# KiCad board EPSM-Famicom-rounded.kicad_pcb (continued)
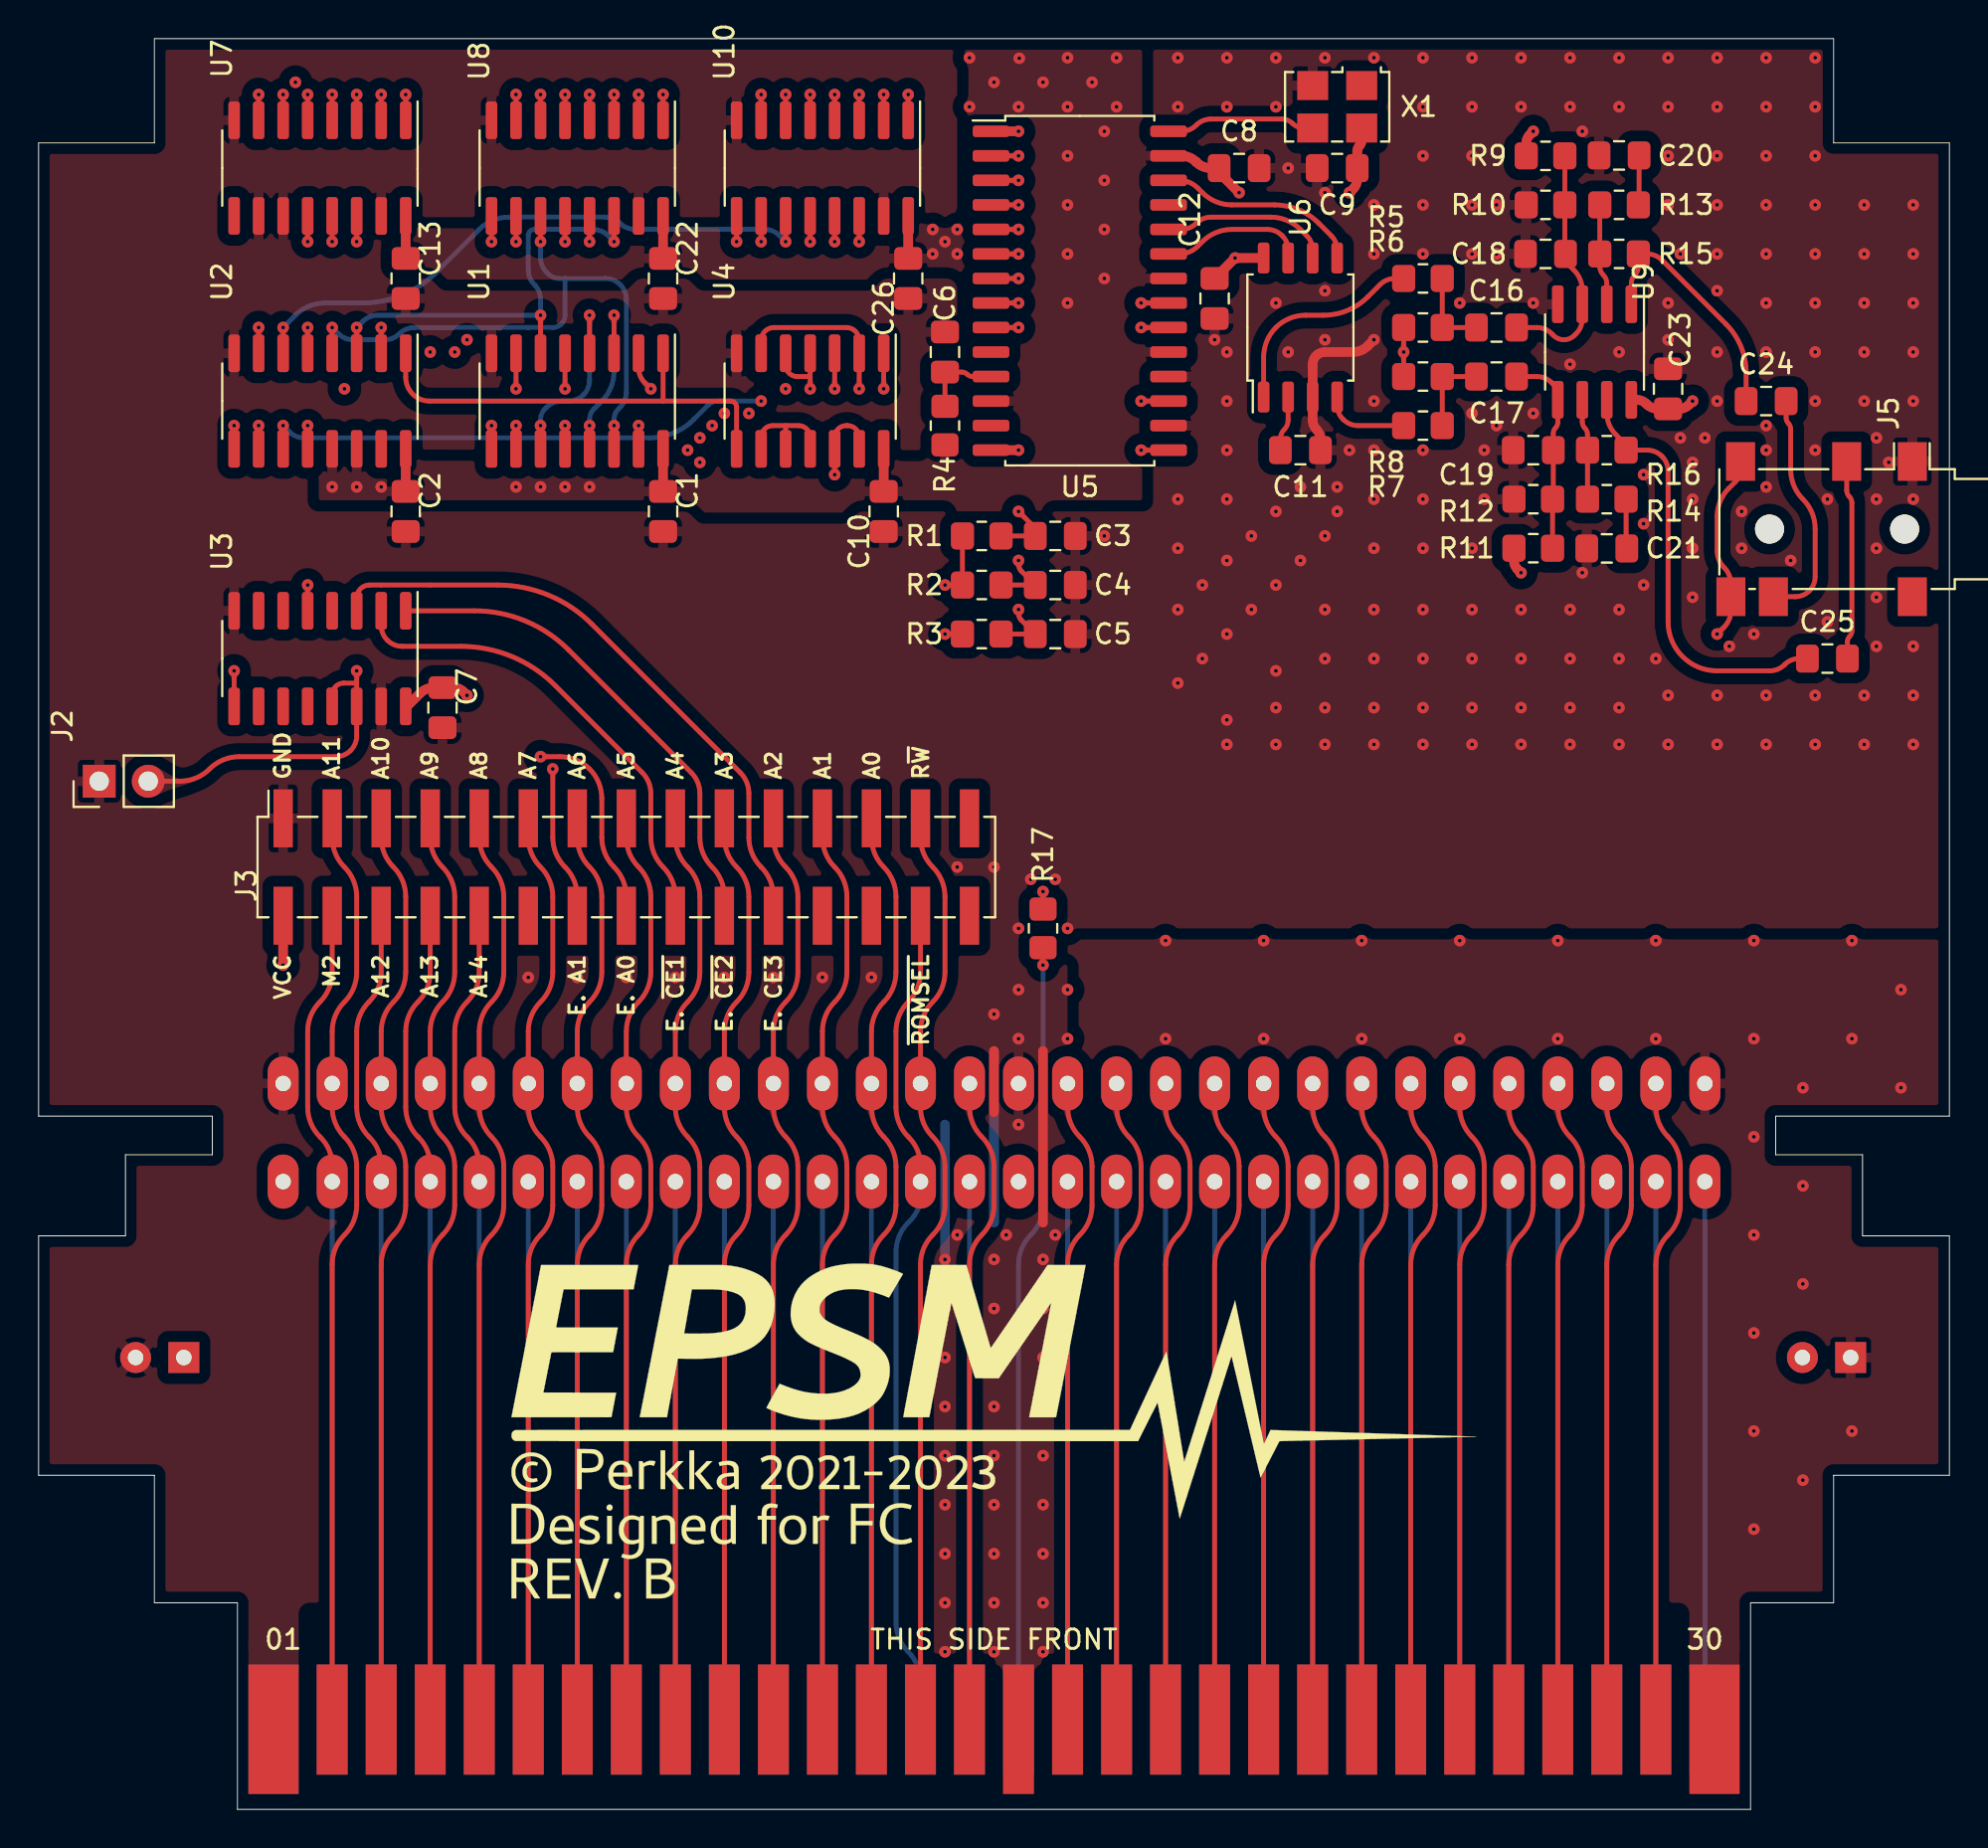
[diagram p0: board, top side]
## Routing (per net, layer and track width the routed paths; a pad name or vN(x,y) marks a point on that pad's centre or on a via; arc(x,y) is an arc through that point) (continued)
  vias: v1(15.21,68.48) v1(16.48,68.48) v1(17.75,68.48) v1(24.73,68.48) v1(26,68.48) v1(27.28,68.48) v1(28.55,68.48) v1(46.33,81.82) v1(46.33,80.55) v1(46.96,81.18) v1(47.59,81.82) v1(47.59,80.55) v1(48.23,90.71) v1(48.23,88.17) v1(49.5,89.44) v1(50.81,90.68) v1(50.77,88.17) v1(52.04,89.44) v1(53.31,90.71) v1(53.31,88.17) v1(53.31,85.63) v1(53.31,83.09) v1(53.31,80.55) v1(53.31,78.01) v1(54.58,89.44) v1(55.22,86.9) v1(55.22,84.36) v1(55.22,81.82) v1(55.22,79.28) v1(55.85,90.71) v1(55.85,88.17) v1(58.39,44.99) v1(58.39,39.91) v1(63.47,44.99) v1(63.47,39.91) v1(68.55,44.99) v1(68.55,39.91) v1(73.63,44.99) v1(73.63,39.91) v1(78.71,44.99) v1(78.71,39.91) v1(83.79,44.99) v1(83.79,39.91) v1(88.87,44.99) v1(88.87,39.91) v1(88.87,34.83) v1(88.87,29.75) v1(88.87,24.67) v1(88.87,19.59) v1(88.87,14.51) v1(91.41,37.37) v1(91.41,32.29) v1(91.41,27.21) v1(91.41,17.05) v1(93.95,44.99) v1(93.95,39.91) v1(93.95,19.59) v1(96.49,42.45) v1(96.49,37.37)
/$4016_EN: length 85.8
  Top w0.25: v1(19.02,88.8) U7.1 ; R1.1 R2.1 v1(46.96,63.4) ; v1(32.36,88.8) 32.36,87.47 ; v1(13.94,71.66) U2.12 ; v1(45.06,88.8) U10.1
  In1.Cu w0.25: 32.36,89.44 43.97,89.44 arc(44.39,89.36) 44.74,89.12 v1(45.06,88.8) ; 32.36,89.44 v1(32.36,88.8) ; 32.36,89.44 19.02,89.44 ; v1(19.02,88.8) 19.02,89.44 ; 19.02,89.44 v1(13.31,89.44)
  In2.Cu w0.25: v1(13.31,89.44) 13.31,72.74 arc(13.39,72.33) 13.62,71.98 v1(13.94,71.66) ; v1(46.96,63.4) 46.96,76.66 arc(46.71,77.91) 46.01,78.96 arc(45.3,80.02) 45.06,81.26 v1(45.06,88.8)
/AUD_2A03: length 27.9
  Bottom w0.25: J4.45 J1.45
/AUD_EPSM: length 40.3
  Top w0.25: v1(52.04,43.72) R17.2
  Bottom w0.25: v1(52.04,43.72) 52.04,31.28 arc(51.87,30.45) 51.41,29.75 arc(50.94,29.05) 50.77,28.22 J4.46
/AUD_RF: length 56.8
  Top w0.25: R8.2 v1(70.72,75.47) R6.2
  In1.Cu w0.25: J1.46 50.77,33.35 arc(50.62,34.13) 50.17,34.79 50.14,34.83 arc(49.67,35.53) 49.5,36.36 49.5,39.46 arc(49.58,39.88) 49.82,40.23 arc(50.05,40.58) 50.14,40.99 50.14,48.48 arc(50.66,51.12) 52.16,53.36 65.13,66.33 arc(66.08,67.76) 66.41,69.44 66.41,70.97 arc(66.36,71.24) 66.21,71.46 arc(66.06,71.68) 66.01,71.94 66.01,74.83 arc(66.2,75.28) 66.65,75.47 v1(70.72,75.47)
/BUF_A0: length 26.6
  Top w0.25: v1(11.4,76.74) 11.4,75.4 ; v1(16.48,88.8) U7.3
  In1.Cu w0.25: v1(20.29,75.47) 13.57,75.47 arc(12.74,75.64) 12.03,76.1 v1(11.4,76.74)
  In2.Cu w0.25: v1(20.29,75.47) 20.29,82.3 arc(19.79,84.79) 18.39,86.9 v1(16.48,88.8)
/BUF_A1: length 20.1
  Top w0.25: v1(12.67,88.8) U7.6 ; v1(11.4,71.66) U2.10
  In2.Cu w0.25: v1(12.67,88.8) 12.35,88.49 arc(12.12,88.14) 12.03,87.72 12.03,72.74 arc(11.95,72.33) 11.72,71.98 v1(11.4,71.66)
/BUF_CS: length 36.8
  Top w0.25: v1(16.48,81.18) U7.14 ; v1(41.25,73.56) 41.25,75.4
  In1.Cu w0.25: v1(41.25,73.56) 40.93,73.88 arc(40.58,74.12) 40.16,74.2 16.93,74.2 arc(16.51,74.12) 16.16,73.88 v1(15.84,73.56)
  In2.Cu w0.25: v1(15.84,73.56) 15.84,80.1 arc(15.93,80.52) 16.16,80.87 v1(16.48,81.18)
/BUF_D0: length 28.1
  Top w0.25: v1(31.72,73.56) 31.4,73.88 arc(31.17,74.23) 31.08,74.65 31.08,75.4 ; v1(42.52,88.8) U10.3
  In1.Cu w0.25: v1(38.7,73.56) v1(31.72,73.56)
  In2.Cu w0.25: v1(38.7,73.56) 43.34,78.2 arc(43.67,78.69) 43.78,79.28 43.78,86.64 arc(43.62,87.47) 43.15,88.17 v1(42.52,88.8)
/BUF_D1: length 32.6
  Top w0.25: v1(38.7,88.8) U10.6 ; v1(27.28,73.56) 27.28,75.4
  In1.Cu w0.25: v1(27.28,73.56) 29.37,73.56 arc(29.78,73.48) 30.13,73.25 arc(30.48,73.01) 30.9,72.93 35.85,72.93 arc(36.14,72.87) 36.39,72.71 v1(36.8,72.29)
  In2.Cu w0.25: v1(38.7,88.8) 40.31,87.2 arc(41.47,85.46) 41.88,83.41 41.88,80.87 arc(41.82,80.57) 41.66,80.33 37.92,76.59 arc(37.09,75.35) 36.8,73.88 v1(36.8,72.29)
/BUF_D2: length 27.8
  Top w0.25: v1(24.73,73.56) 24.73,75.4 ; v1(41.25,81.18) U10.13
  In1.Cu w0.25: v1(24.73,73.56) 25.05,73.25 arc(25.4,73.01) 25.82,72.93 28.73,72.93 arc(29.15,72.85) 29.5,72.61 arc(29.85,72.38) 30.26,72.29 v1(35.53,72.29)
  In2.Cu w0.25: v1(35.53,72.29) 35.53,76.21 arc(35.86,77.87) 36.8,79.28 37.62,80.1 arc(37.95,80.6) 38.07,81.18 arc(38.26,81.63) 38.7,81.82 40.16,81.82 arc(40.58,81.74) 40.93,81.5 v1(41.25,81.18)
/BUF_D3: length 16.7
  Top w0.25: v1(37.44,81.18) U10.10 ; v1(31.08,71.66) U1.15
  In1.Cu w0.25: v1(34.89,71.66) v1(31.08,71.66)
  In2.Cu w0.25: v1(37.44,81.18) 36.17,79.91 arc(35.23,78.51) 34.89,76.85 v1(34.89,71.66)
/BUF_D4: length 29.6
  Top w0.25: v1(27.28,71.66) 27.28,70.45 ; v1(29.81,88.8) U8.3
  In1.Cu w0.25: v1(27.28,71.66) 27.91,71.02 arc(28.61,70.56) 29.44,70.39 v1(33.62,70.39)
  In2.Cu w0.25: v1(29.81,88.8) 33.14,85.48 arc(33.97,84.24) 34.26,82.77 34.26,80.87 arc(34.2,80.57) 34.04,80.33 33.94,80.23 arc(33.71,79.88) 33.62,79.47 v1(33.62,70.39)
/BUF_D5: length 22.5
  Top w0.25: v1(24.73,71.66) U1.10 ; v1(26,88.8) U8.6
  In2.Cu w0.25: v1(26,88.8) 27.59,87.22 arc(28.77,85.46) 29.18,83.38 29.18,77.06 arc(29.12,76.76) 28.96,76.52 26.86,74.42 arc(26.7,74.18) 26.64,73.88 arc(26.58,73.59) 26.42,73.34 v1(24.73,71.66)
/BUF_D6: length 15.7
  Top w0.25: v1(28.55,81.18) U8.13 ; v1(17.75,76.74) 17.75,75.4
  In1.Cu w0.25: v1(17.75,76.74) 21.11,76.74 arc(21.53,76.66) 21.88,76.42 v1(22.19,76.1)
  In2.Cu w0.25: v1(22.19,76.1) 22.83,76.1 arc(23.42,76.22) 23.91,76.55 v1(28.55,81.18)
/BUF_D7: length 17.7
  Top w0.25: v1(13.94,76.74) 13.94,75.4 ; v1(24.73,81.18) U8.10
  In1.Cu w0.25: v1(13.94,76.74) 14.26,76.42 arc(14.61,76.19) 15.02,76.1 20.48,76.1 arc(20.89,76.02) 21.24,75.79 v1(21.56,75.47)
  In2.Cu w0.25: v1(24.73,81.18) 22.23,78.68 arc(21.74,77.94) 21.56,77.06 v1(21.56,75.47)
/CIRAM_A10: length 33.6
  Top w0.25: J1.18 55.85,36.36 arc(56.02,35.53) 56.49,34.83 arc(56.95,34.13) 57.12,33.3 57.12,31.28 arc(56.95,30.45) 56.49,29.75 arc(56.02,29.05) 55.85,28.22 J4.18
/CIRAM_~{CE}: length 27.9
  Bottom w0.25: J1.48 J4.48
/CPU_A0: length 48
  Top w0.25: J4.13 43.15,28.22 arc(43.32,29.05) 43.78,29.75 arc(44.25,30.45) 44.42,31.28 44.42,33.3 arc(44.25,34.13) 43.78,34.83 arc(43.32,35.53) 43.15,36.36 J1.13 43.15,40.28 arc(43.32,41.11) 43.78,41.81 arc(44.25,42.52) 44.42,43.35 44.42,47.27 arc(44.25,48.1) 43.78,48.8 arc(43.32,49.5) 43.15,50.33 J3.25
/CPU_A1: length 48
  Top w0.25: J3.23 40.61,50.33 arc(40.78,49.5) 41.25,48.8 arc(41.71,48.1) 41.88,47.27 41.88,43.35 arc(41.71,42.52) 41.25,41.81 arc(40.78,41.11) 40.61,40.28 J1.12 40.61,36.36 arc(40.78,35.53) 41.25,34.83 arc(41.71,34.13) 41.88,33.3 41.88,31.28 arc(41.71,30.45) 41.25,29.75 arc(40.78,29.05) 40.61,28.22 J4.12
/CPU_A2: length 48
  Top w0.25: J4.11 38.07,28.22 arc(38.24,29.05) 38.7,29.75 arc(39.17,30.45) 39.34,31.28 39.34,33.3 arc(39.17,34.13) 38.7,34.83 arc(38.24,35.53) 38.07,36.36 J1.11 38.07,40.28 arc(38.24,41.11) 38.7,41.81 arc(39.17,42.52) 39.34,43.35 39.34,47.27 arc(39.17,48.1) 38.7,48.8 arc(38.24,49.5) 38.07,50.33 J3.21
/CPU_A3: length 48
  Top w0.25: J3.19 35.53,50.33 arc(35.7,49.5) 36.17,48.8 arc(36.63,48.1) 36.8,47.27 36.8,43.35 arc(36.63,42.52) 36.17,41.81 arc(35.7,41.11) 35.53,40.28 35.53,36.36 arc(35.7,35.53) 36.17,34.83 arc(36.63,34.13) 36.8,33.3 36.8,31.28 arc(36.63,30.45) 36.17,29.75 arc(35.7,29.05) 35.53,28.22 J4.10
/CPU_A4: length 48
  Top w0.25: J3.17 32.99,50.33 arc(33.16,49.5) 33.62,48.8 arc(34.09,48.1) 34.26,47.27 34.26,43.35 arc(34.09,42.52) 33.62,41.81 arc(33.16,41.11) 32.99,40.28 32.99,36.36 arc(33.16,35.53) 33.62,34.83 arc(34.09,34.13) 34.26,33.3 34.26,31.28 arc(34.09,30.45) 33.62,29.75 arc(33.16,29.05) 32.99,28.22 J4.9
/CPU_A5: length 48
  Top w0.25: J4.8 30.45,28.22 arc(30.62,29.05) 31.08,29.75 arc(31.55,30.45) 31.72,31.28 31.72,33.3 arc(31.55,34.13) 31.08,34.83 arc(30.62,35.53) 30.45,36.36 30.45,40.28 arc(30.62,41.11) 31.08,41.81 arc(31.55,42.52) 31.72,43.35 31.72,47.27 arc(31.55,48.1) 31.08,48.8 arc(30.62,49.5) 30.45,50.33 J3.15
/CPU_A6: length 48
  Top w0.25: J4.7 27.91,28.22 arc(28.08,29.05) 28.55,29.75 arc(29.01,30.45) 29.18,31.28 29.18,33.3 arc(29.01,34.13) 28.55,34.83 arc(28.08,35.53) 27.91,36.36 27.91,40.28 arc(28.08,41.11) 28.55,41.81 arc(29.01,42.52) 29.18,43.35 29.18,47.27 arc(29.01,48.1) 28.55,48.8 arc(28.08,49.5) 27.91,50.33 J3.13
/CPU_A7: length 48
  Top w0.25: J4.6 25.37,28.22 arc(25.54,29.05) 26,29.75 arc(26.47,30.45) 26.64,31.28 26.64,33.3 arc(26.47,34.13) 26,34.83 arc(25.54,35.53) 25.37,36.36 J1.6 25.37,40.28 arc(25.54,41.11) 26,41.81 arc(26.47,42.52) 26.64,43.35 26.64,47.27 arc(26.47,48.1) 26,48.8 arc(25.54,49.5) 25.37,50.33 J3.11
/CPU_A8: length 48
  Top w0.25: J3.9 22.83,50.33 arc(23,49.5) 23.47,48.8 arc(23.93,48.1) 24.1,47.27 24.1,43.35 arc(23.93,42.52) 23.47,41.81 arc(23,41.11) 22.83,40.28 J1.5 22.83,36.36 arc(23,35.53) 23.47,34.83 arc(23.93,34.13) 24.1,33.3 24.1,31.28 arc(23.93,30.45) 23.47,29.75 arc(23,29.05) 22.83,28.22 J4.5
/CPU_A9: length 48
  Top w0.25: J3.7 20.29,50.33 arc(20.46,49.5) 20.92,48.8 arc(21.39,48.1) 21.56,47.27 21.56,43.35 arc(21.39,42.52) 20.92,41.81 arc(20.46,41.11) 20.29,40.28 20.29,36.36 arc(20.46,35.53) 20.92,34.83 arc(21.39,34.13) 21.56,33.3 21.56,31.28 arc(21.39,30.45) 20.92,29.75 arc(20.46,29.05) 20.29,28.22 J4.4
/CPU_A10: length 48
  Top w0.25: J3.5 17.75,50.33 arc(17.92,49.5) 18.39,48.8 arc(18.85,48.1) 19.02,47.27 19.02,43.35 arc(18.85,42.52) 18.39,41.81 arc(17.92,41.11) 17.75,40.28 17.75,36.36 arc(17.92,35.53) 18.39,34.83 arc(18.85,34.13) 19.02,33.3 19.02,31.28 arc(18.85,30.45) 18.39,29.75 arc(17.92,29.05) 17.75,28.22 J4.3
/CPU_A11: length 48
  Top w0.25: J3.3 15.21,50.33 arc(15.38,49.5) 15.84,48.8 arc(16.31,48.1) 16.48,47.27 16.48,43.35 arc(16.31,42.52) 15.84,41.81 arc(15.38,41.11) 15.21,40.28 15.21,36.36 arc(15.38,35.53) 15.84,34.83 arc(16.31,34.13) 16.48,33.3 16.48,31.28 arc(16.31,30.45) 15.84,29.75 arc(15.38,29.05) 15.21,28.22 J4.2
/CPU_A12: length 42.3
  Top w0.25: J1.33 17.75,33.35 arc(17.6,34.13) 17.15,34.79 17.11,34.83 arc(16.65,35.53) 16.48,36.36 16.48,40.28 arc(16.65,41.11) 17.11,41.81 arc(17.58,42.52) 17.75,43.35 J3.6
  Bottom w0.25: J1.33 J4.33
/CPU_A13: length 42.3
  Top w0.25: J3.8 20.29,43.35 arc(20.12,42.52) 19.66,41.81 arc(19.19,41.11) 19.02,40.28 19.02,36.36 arc(19.19,35.53) 19.66,34.83 19.69,34.79 arc(20.14,34.13) 20.29,33.35 J1.34
  Bottom w0.25: J1.34 J4.34
/CPU_A14: length 42.3
  Top w0.25: J3.10 22.83,43.35 arc(22.66,42.52) 22.19,41.81 arc(21.73,41.11) 21.56,40.28 21.56,36.36 arc(21.73,35.53) 22.19,34.83 22.23,34.79 arc(22.68,34.13) 22.83,33.35 J1.35
  Bottom w0.25: J4.35 J1.35
/CPU_D0: length 86.7
  Top w0.25: v1(43.78,88.8) U10.2
  In2.Cu w0.25: v1(43.78,88.8) 44.1,88.49 arc(44.34,88.14) 44.42,87.72 44.42,67.74 arc(44.09,66.08) 43.15,64.67 arc(42.21,63.27) 41.88,61.61 41.88,36.36 arc(42.05,35.53) 42.52,34.83 42.55,34.79 arc(43,34.13) 43.15,33.35 J1.43
  Bottom w0.25: J4.43 J1.43
/CPU_D1: length 89.6
  Top w0.25: v1(39.97,88.8) U10.5
  In2.Cu w0.25: v1(39.97,88.8) 41.58,87.2 arc(42.74,85.46) 43.15,83.41 43.15,80.23 arc(42.97,79.35) 42.48,78.61 38.52,74.65 arc(38.19,74.15) 38.07,73.56 arc(38.19,72.98) 38.52,72.48 39.02,71.98 arc(39.73,70.92) 39.97,69.68 39.97,44.17 arc(39.89,43.75) 39.66,43.4 arc(39.42,43.05) 39.34,42.64 39.34,36.36 arc(39.51,35.53) 39.97,34.83 40.01,34.79 arc(40.46,34.13) 40.61,33.35 J1.42
  Bottom w0.25: J4.42 J1.42
/CPU_D2: length 107.4
  Top w0.25: v1(12.67,71.66) U2.11 ; v1(42.52,81.18) U10.14
  In2.Cu w0.25: v1(42.52,81.18) 42.52,80.55 arc(42.4,79.96) 42.07,79.47 38.33,75.73 arc(37.67,74.74) 37.44,73.56 37.44,72.74 arc(37.52,72.33) 37.75,71.98 arc(37.99,71.63) 38.07,71.21 38.07,45.25 arc(37.9,44.42) 37.44,43.72 arc(36.97,43.02) 36.8,42.19 36.8,36.36 arc(36.97,35.53) 37.44,34.83 37.47,34.79 arc(37.92,34.13) 38.07,33.35 J1.41
  Bottom w0.25: v1(37.44,72.93) 35.21,72.93 arc(34.92,72.87) 34.67,72.71 33.94,71.98 arc(32.89,71.27) 31.64,71.02 13.75,71.02 arc(13.34,71.11) 12.99,71.34 v1(12.67,71.66) ; J4.41 J1.41
/CPU_D3: length 109.4
  Top w0.25: v1(38.7,81.18) U10.11 ; v1(12.67,76.74) 12.67,75.4
  In2.Cu w0.25: v1(38.7,81.18) 38.7,80.55 arc(38.59,79.96) 38.26,79.47 37.43,78.65 arc(36.5,77.24) 36.17,75.58 36.17,45.44 arc(36.08,45.02) 35.85,44.67 34.89,43.72 arc(34.43,43.02) 34.26,42.19 34.26,36.36 arc(34.43,35.53) 34.89,34.83 34.93,34.79 arc(35.38,34.13) 35.53,33.35 J1.40
  Bottom w0.25: J1.40 J4.40 ; v1(38.7,81.18) 38.39,81.5 arc(38.04,81.74) 37.62,81.82 30.9,81.82 arc(30.48,81.9) 30.13,82.14 arc(29.78,82.37) 29.37,82.45 24.36,82.45 arc(23.53,82.29) 22.83,81.82 20.61,79.6 arc(18.85,78.42) 16.77,78.01 14.84,78.01 arc(14.01,77.84) 13.31,77.37 v1(12.67,76.74)
/CPU_D4: length 103.9
  Top w0.25: v1(28.55,71.66) U1.13 ; v1(31.08,88.8) U8.2 ; v1(29.81,77.37) 29.81,75.4
  In1.Cu w0.25: v1(28.55,71.66) 28.86,71.34 arc(29.21,71.11) 29.63,71.02 v1(34.26,71.02)
  In2.Cu w0.25: v1(31.08,88.8) 33.55,86.34 arc(34.54,84.85) 34.89,83.09 34.89,80.36 arc(34.81,79.95) 34.58,79.6 arc(34.34,79.25) 34.26,78.83 v1(34.26,71.02) 34.58,70.71 arc(34.81,70.36) 34.89,69.94 34.89,69.57 arc(34.81,69.15) 34.58,68.8 arc(34.34,68.45) 34.26,68.04 34.26,46.52 arc(34.09,45.69) 33.62,44.99 32.36,43.72 arc(31.89,43.02) 31.72,42.19 31.72,36.36 arc(31.89,35.53) 32.36,34.83 32.39,34.79 arc(32.84,34.13) 32.99,33.35 J1.39
  Bottom w0.25: v1(29.81,77.37) 29.81,74.46 arc(29.65,73.63) 29.18,72.93 28.77,72.52 arc(28.6,72.27) 28.55,71.98 v1(28.55,71.66) ; J4.39 J1.39
/CPU_D5: length 110.5
  Top w0.25: v1(28.55,77.37) 28.55,75.4 ; v1(27.28,88.8) 27.28,87.47 ; v1(26,71.66) U1.11
  In1.Cu w0.25: v1(34.26,69.75) 29.26,69.75 arc(28.01,70) 26.96,70.71 v1(26,71.66)
  In2.Cu w0.25: 32.36,69.75 32.36,47.61 arc(32.11,46.36) 31.4,45.31 29.81,43.72 arc(29.35,43.02) 29.18,42.19 29.18,36.36 arc(29.35,35.53) 29.81,34.83 29.85,34.79 arc(30.3,34.13) 30.45,33.35 J1.38 ; 32.36,69.75 32.36,70.07 arc(32.41,70.37) 32.58,70.61 32.67,70.71 arc(32.91,71.06) 32.99,71.47 32.99,80.23 arc(32.46,82.87) 30.97,85.11 v1(27.28,88.8) ; 32.36,69.75 v1(34.26,69.75)
  Bottom w0.25: v1(28.55,77.37) 28.55,74.01 arc(28.46,73.6) 28.23,73.25 arc(27.88,73.01) 27.46,72.93 27.09,72.93 arc(26.67,72.85) 26.32,72.61 26.23,72.52 arc(26.06,72.27) 26,71.98 v1(26,71.66) ; J1.38 J4.38
/CPU_D6: length 103.1
  Top w0.25: v1(29.81,81.18) U8.14 ; v1(26,77.37) 26,75.4 ; v1(16.48,76.74) 16.48,75.4
  In2.Cu w0.25: J1.37 27.91,33.35 arc(27.76,34.13) 27.31,34.79 27.28,34.83 arc(26.81,35.53) 26.64,36.36 26.64,42.19 arc(26.81,43.02) 27.28,43.72 29.18,45.62 arc(30.12,47.03) 30.45,48.69 30.45,66.77 arc(30.53,67.18) 30.77,67.53 arc(31,67.88) 31.08,68.3 31.08,69.49 arc(31.25,70.32) 31.72,71.02 arc(32.19,71.73) 32.36,72.56 32.36,76.85 arc(32.02,78.51) 31.08,79.91 v1(29.81,81.18)
  Bottom w0.25: v1(16.48,76.74) 16.8,77.06 arc(17.15,77.29) 17.56,77.37 v1(26,77.37) 26,78.2 arc(25.92,78.61) 25.69,78.96 arc(25.45,79.31) 25.37,79.73 25.37,81.5 arc(25.46,81.73) 25.69,81.82 28.73,81.82 arc(29.15,81.74) 29.5,81.5 v1(29.81,81.18) ; J4.37 J1.37
/CPU_D7: length 101
  Top w0.25: v1(26,81.18) U8.11 ; v1(29.81,71.66) U1.14 ; v1(15.21,76.74) 15.21,75.4
  In2.Cu w0.25: v1(29.81,71.66) 29.81,69.7 arc(29.65,68.87) 29.18,68.17 arc(28.71,67.46) 28.55,66.63 28.55,49.78 arc(28.13,47.7) 26.96,45.94 24.73,43.72 arc(24.27,43.02) 24.1,42.19 24.1,36.36 arc(24.27,35.53) 24.73,34.83 24.77,34.79 arc(25.22,34.13) 25.37,33.35 J1.36
  Bottom w0.25: v1(29.81,71.66) 29.81,71.98 arc(29.87,72.27) 30.04,72.52 30.13,72.61 arc(30.37,72.96) 30.45,73.38 30.45,78.2 arc(30.37,78.61) 30.13,78.96 arc(29.78,79.2) 29.37,79.28 27.28,79.28 ; v1(15.21,76.74) 15.53,76.42 arc(15.88,76.19) 16.29,76.1 17.94,76.1 arc(18.35,76.19) 18.7,76.42 arc(19.05,76.66) 19.47,76.74 26.64,76.74 arc(27.09,76.93) 27.28,77.37 27.28,79.28 ; 27.28,79.28 26.96,79.28 arc(26.66,79.34) 26.42,79.5 26.32,79.6 arc(26.09,79.95) 26,80.36 v1(26,81.18) ; J1.36 J4.36
/CPU_R~{W}: length 48
  Top w0.25: J3.27 45.69,50.33 arc(45.86,49.5) 46.33,48.8 arc(46.79,48.1) 46.96,47.27 46.96,43.35 arc(46.79,42.52) 46.33,41.81 arc(45.86,41.11) 45.69,40.28 45.69,36.36 arc(45.86,35.53) 46.33,34.83 arc(46.79,34.13) 46.96,33.3 46.96,31.28 arc(46.79,30.45) 46.33,29.75 arc(45.86,29.05) 45.69,28.22 J4.14
/EPSM_A0: length 50.7
  Top w0.25: J3.16 30.45,47.27 arc(30.28,48.1) 29.81,48.8 arc(29.35,49.5) 29.18,50.33 29.18,52.35 arc(29.01,53.18) 28.55,53.88 arc(27.84,54.35) 27.01,54.51 v1(26,54.51) ; v1(13.94,88.8) U7.5
  In2.Cu w0.25: v1(26,54.51) 26,55.78 arc(25.77,56.96) 25.11,57.95 21.68,61.38 arc(20.18,63.62) 19.66,66.27 19.66,80.23 arc(19.13,82.87) 17.63,85.11 v1(13.94,88.8)
/EPSM_A1: length 47.2
  Top w0.25: v1(26.64,53.88) 26.64,50.33 arc(26.81,49.5) 27.28,48.8 arc(27.74,48.1) 27.91,47.27 J3.14 ; v1(17.75,88.8) U7.2
  In2.Cu w0.25: v1(26.64,53.88) 26.64,55.78 arc(26.29,57.54) 25.29,59.04 22.95,61.38 arc(21.45,63.62) 20.92,66.27 20.92,83.38 arc(20.51,85.46) 19.34,87.22 v1(17.75,88.8)
/EPSM_CE3: length 32.5
  Top w0.25: U3.3 16.48,62.74 arc(16.68,63.21) 17.15,63.4 23.78,63.4 arc(26.42,62.88) 28.66,61.38 36.35,53.69 arc(36.68,53.2) 36.8,52.61 36.8,50.33 arc(36.97,49.5) 37.44,48.8 arc(37.9,48.1) 38.07,47.27 J3.22
/EPSM_~{CE1}: length 25.2
  Top w0.25: U3.2 17.75,61.31 arc(17.83,60.9) 18.07,60.55 arc(18.42,60.31) 18.83,60.23 21.87,60.23 arc(24.52,59.7) 26.76,58.21 31.27,53.69 arc(31.6,53.2) 31.72,52.61 31.72,50.33 arc(31.89,49.5) 32.36,48.8 arc(32.82,48.1) 32.99,47.27 J3.18
/EPSM_~{CE2}: length 25.8
  Top w0.25: U3.1 22.57,62.07 arc(25.22,61.54) 27.46,60.05 33.81,53.69 arc(34.14,53.2) 34.26,52.61 34.26,50.33 arc(34.43,49.5) 34.89,48.8 arc(35.36,48.1) 35.53,47.27 J3.20
/FF_RESET: length 23.9
  Top w0.25: U4.8 36.17,72.61 arc(36.07,72.84) 35.85,72.93 32.36,72.93 ; 32.36,72.93 32.36,75.4 ; 32.36,72.93 20.26,72.93 arc(19.38,73.29) 19.02,74.17 19.02,75.4
/M2: length 42.3
  Top w0.25: J1.32 15.21,33.35 arc(15.06,34.13) 14.61,34.79 14.58,34.83 arc(14.11,35.53) 13.94,36.36 13.94,40.28 arc(14.11,41.11) 14.58,41.81 arc(15.04,42.52) 15.21,43.35 J3.4
  Bottom w0.25: J4.32 J1.32
/OUT_1: length 33.8
  Top w0.25: 16.48,58.32 15.81,58.32 arc(15.39,58.15) 15.21,57.72 U3.13 ; 16.48,58.32 U3.14 16.48,55.6 arc(16.4,55.18) 16.16,54.83 arc(15.81,54.6) 15.4,54.51 10.39,54.51 arc(9.56,54.35) 8.86,53.88 arc(8.16,53.41) 7.33,53.24 J2.2 ; 16.48,58.32 v1(16.48,58.96) ; v1(23.47,71.66) U1.9
  In1.Cu w0.25: v1(16.48,58.96) 21.44,63.92 arc(22.94,66.16) 23.47,68.8 v1(23.47,71.66)
/PPU_A0: length 33.6
  Top w0.25: J1.25 73.63,36.36 arc(73.8,35.53) 74.26,34.83 arc(74.73,34.13) 74.9,33.3 74.9,31.28 arc(74.73,30.45) 74.26,29.75 arc(73.8,29.05) 73.63,28.22 J4.25
/PPU_A1: length 33.6
  Top w0.25: J4.24 71.09,28.22 arc(71.26,29.05) 71.72,29.75 arc(72.19,30.45) 72.36,31.28 72.36,33.3 arc(72.19,34.13) 71.72,34.83 arc(71.26,35.53) 71.09,36.36 J1.24
/PPU_A2: length 33.6
  Top w0.25: J4.23 68.55,28.22 arc(68.72,29.05) 69.19,29.75 arc(69.65,30.45) 69.82,31.28 69.82,33.3 arc(69.65,34.13) 69.19,34.83 arc(68.72,35.53) 68.55,36.36 J1.23
/PPU_A3: length 33.6
  Top w0.25: J4.22 66.01,28.22 arc(66.18,29.05) 66.65,29.75 arc(67.11,30.45) 67.28,31.28 67.28,33.3 arc(67.11,34.13) 66.65,34.83 arc(66.18,35.53) 66.01,36.36 J1.22
/PPU_A4: length 33.6
  Top w0.25: J1.21 63.47,36.36 arc(63.64,35.53) 64.1,34.83 arc(64.57,34.13) 64.74,33.3 64.74,31.28 arc(64.57,30.45) 64.1,29.75 arc(63.64,29.05) 63.47,28.22 J4.21
/PPU_A5: length 33.6
  Top w0.25: J1.20 60.93,36.36 arc(61.1,35.53) 61.56,34.83 arc(62.03,34.13) 62.2,33.3 62.2,31.28 arc(62.03,30.45) 61.56,29.75 arc(61.1,29.05) 60.93,28.22 J4.20
/PPU_A6: length 33.6
  Top w0.25: J1.19 58.39,36.36 arc(58.56,35.53) 59.03,34.83 arc(59.49,34.13) 59.66,33.3 59.66,31.28 arc(59.49,30.45) 59.03,29.75 arc(58.56,29.05) 58.39,28.22 J4.19
/PPU_A7: length 27.9
  Bottom w0.25: J1.50 J4.50
/PPU_A8: length 27.9
  Bottom w0.25: J4.51 J1.51
/PPU_A9: length 27.9
  Bottom w0.25: J1.52 J4.52
/PPU_A10: length 27.9
  Bottom w0.25: J4.53 J1.53
/PPU_A11: length 27.9
  Bottom w0.25: J1.54 J4.54
/PPU_A12: length 27.9
  Bottom w0.25: J4.55 J1.55
/PPU_A13: length 27.9
  Bottom w0.25: J1.56 J4.56
/PPU_D0: length 33.6
  Top w0.25: J1.26 76.17,36.36 arc(76.34,35.53) 76.81,34.83 arc(77.27,34.13) 77.44,33.3 77.44,31.28 arc(77.27,30.45) 76.81,29.75 arc(76.34,29.05) 76.17,28.22 J4.26
/PPU_D1: length 33.6
  Top w0.25: J4.27 78.71,28.22 arc(78.88,29.05) 79.34,29.75 arc(79.81,30.45) 79.98,31.28 79.98,33.3 arc(79.81,34.13) 79.34,34.83 arc(78.88,35.53) 78.71,36.36 J1.27
/PPU_D2: length 33.6
  Top w0.25: J4.28 81.25,28.22 arc(81.42,29.05) 81.88,29.75 arc(82.35,30.45) 82.52,31.28 82.52,33.3 arc(82.35,34.13) 81.88,34.83 arc(81.42,35.53) 81.25,36.36 J1.28
/PPU_D3: length 33.6
  Top w0.25: J1.29 83.79,36.36 arc(83.96,35.53) 84.43,34.83 arc(84.89,34.13) 85.06,33.3 85.06,31.28 arc(84.89,30.45) 84.43,29.75 arc(83.96,29.05) 83.79,28.22 J4.29
/PPU_D4: length 27.9
  Bottom w0.25: J4.60 J1.60
/PPU_D5: length 27.9
  Bottom w0.25: J4.59 J1.59
/PPU_D6: length 27.9
  Bottom w0.25: J1.58 J4.58
/PPU_D7: length 27.9
  Bottom w0.25: J4.57 J1.57
/PPU_~{A13}: length 27.9
  Bottom w0.25: J4.49 J1.49
/PPU_~{RD}: length 33.6
  Top w0.25: J1.17 53.31,36.36 arc(53.48,35.53) 53.94,34.83 arc(54.41,34.13) 54.58,33.3 54.58,31.28 arc(54.41,30.45) 53.94,29.75 arc(53.48,29.05) 53.31,28.22 J4.17
/PPU_~{WR}: length 27.9
  Bottom w0.25: J4.47 J1.47
/YM_A0: length 54.6
  Top w0.25: v1(57.12,76.74) U5.20 ; v1(11.4,88.8) U7.7
  In1.Cu w0.25: v1(57.12,76.74) 56.17,75.79 arc(55.11,75.08) 53.87,74.83 50.58,74.83 arc(50.17,74.92) 49.82,75.15 arc(49.47,75.39) 49.05,75.47 26.72,75.47 arc(25.47,75.72) 24.42,76.42 18.61,82.23 arc(18.36,82.4) 18.07,82.45 arc(17.77,82.51) 17.53,82.68 v1(11.4,88.8)
/YM_A1: length 51.9
  Top w0.25: v1(57.12,78.01) U5.21 ; v1(15.21,88.8) U7.4
  In1.Cu w0.25: v1(15.21,88.8) 15.21,87.85 arc(15.39,86.97) 15.88,86.23 25.37,76.74 arc(26.07,76.27) 26.9,76.1 49.69,76.1 arc(50.1,76.02) 50.45,75.79 arc(50.8,75.55) 51.22,75.47 52.78,75.47 arc(54.44,75.8) 55.85,76.74 v1(57.12,78.01)
/YM_CS: length 49.4
  Top w0.25: v1(13.94,81.18) U7.12 ; v1(57.12,72.93) U5.17
  In1.Cu w0.25: v1(13.94,81.18) 14.26,81.5 arc(14.61,81.74) 15.02,81.82 17.11,81.82 arc(17.7,81.7) 18.2,81.37 23.47,76.1 arc(24.87,75.17) 26.53,74.83 48.42,74.83 arc(48.83,74.75) 49.18,74.52 arc(49.53,74.28) 49.95,74.2 54.95,74.2 arc(55.78,74.03) 56.49,73.56 v1(57.12,72.93)
/YM_D0: length 13.4
  Top w0.25: v1(50.77,85.63) U5.2 ; v1(41.25,88.8) U10.4
  In1.Cu w0.25: v1(50.77,85.63) 46.67,85.63 arc(44.59,86.04) 42.83,87.22 v1(41.25,88.8)
/YM_D1: length 17.6
  Top w0.25: v1(50.77,84.36) U5.3 ; v1(37.44,88.8) U10.7
  In1.Cu w0.25: v1(50.77,84.36) 44.74,84.36 arc(42.1,84.89) 39.86,86.38 v1(37.44,88.8)
/YM_D2: length 14.2
  Top w0.25: v1(39.97,81.18) U10.12 ; v1(50.77,83.09) U5.4
  In1.Cu w0.25: v1(39.97,81.18) 40.93,82.14 arc(41.98,82.84) 43.23,83.09 v1(50.77,83.09)
/YM_D3: length 18.9
  Top w0.25: v1(50.77,81.82) U5.5 ; v1(36.17,81.18) U10.9
  In1.Cu w0.25: v1(36.17,81.18) 37.12,80.23 arc(38.17,79.53) 39.42,79.28 46.43,79.28 arc(48.09,79.61) 49.5,80.55 v1(50.77,81.82)
/YM_D4: length 30.3
  Top w0.25: v1(50.77,80.55) U5.6 ; v1(28.55,88.8) U8.4
  In1.Cu w0.25: v1(50.77,80.55) 49.82,79.6 arc(48.76,78.89) 47.52,78.64 39.23,78.64 arc(37.57,78.98) 36.17,79.91 28.99,87.09 arc(28.66,87.58) 28.55,88.17 v1(28.55,88.8)
/YM_D5: length 33.5
  Top w0.25: v1(50.77,79.28) U5.7 ; v1(24.73,88.8) U8.7
  In1.Cu w0.25: v1(24.73,88.8) 33.94,79.6 arc(35.7,78.42) 37.78,78.01 48.6,78.01 arc(49.43,78.18) 50.14,78.64 v1(50.77,79.28)
/YM_D6: length 27.8
  Top w0.25: v1(50.77,78.01) U5.8 ; v1(27.28,81.18) 27.28,82.52
  In1.Cu w0.25: v1(50.77,78.01) 50.45,77.69 arc(50.1,77.46) 49.69,77.37 33.78,77.37 arc(31.29,77.87) 29.18,79.28 v1(27.28,81.18)
/YM_D7: length 31.9
  Top w0.25: v1(23.47,81.18) U8.9 ; v1(50.77,76.74) U5.9
  In1.Cu w0.25: v1(50.77,76.74) 28.36,76.74 arc(27.94,76.82) 27.59,77.06 v1(23.47,81.18)
/~{CS}: length 20.9
  Top w0.25: v1(15.21,81.18) U7.13 ; v1(13.94,63.4) U3.5
  In2.Cu w0.25: v1(13.94,63.4) 14.26,63.72 arc(14.49,64.07) 14.58,64.49 14.58,80.1 arc(14.66,80.52) 14.89,80.87 v1(15.21,81.18)
/~{IRQ}: length 70.9
  Top w0.25: v1(57.12,70.39) U5.15 ; J1.15 48.23,36.36 arc(48.4,35.53) 48.86,34.83 arc(49.33,34.13) 49.5,33.3 49.5,31.28 arc(49.33,30.45) 48.86,29.75 arc(48.4,29.05) 48.23,28.22 J4.15
  In1.Cu w0.25: v1(57.12,70.39) 57.12,67.53 arc(56.59,64.89) 55.1,62.65 50.25,57.81 arc(48.76,55.57) 48.23,52.92 J1.15
/~{OUT_1}: length 15.7
  Top w0.25: v1(10.13,71.66) U2.9 ; v1(10.13,58.96) U3.9
  In2.Cu w0.25: v1(10.13,71.66) v1(10.13,58.96)
/~{ROMSEL}: length 43
  Top w0.25: J3.28 45.69,43.35 arc(45.52,42.52) 45.06,41.81 arc(44.59,41.11) 44.42,40.28 44.42,36.36 arc(44.59,35.53) 45.06,34.83 45.09,34.79 arc(45.54,34.13) 45.69,33.35 J1.44
  Bottom w0.25: J1.44 45.69,31.76 arc(45.55,31.08) 45.16,30.49 45.06,30.38 arc(44.59,29.68) 44.42,28.85 44.42,9.69 arc(44.59,8.86) 45.06,8.16 arc(45.52,7.46) 45.69,6.63 J4.44
Net-(C3-Pad1): length 14.7
  Top w0.25: v1(43.78,73.56) 43.78,75.4 ; v1(50.77,67.21) 51.5,66.49 arc(51.6,66.33) 51.64,66.15 arc(51.58,66) 51.44,65.94 R1.2
  In1.Cu w0.25: v1(43.78,73.56) 44.1,73.56 arc(44.4,73.51) 44.64,73.34 v1(50.77,67.21)
Net-(C4-Pad1): length 21.8
  Top w0.25: 39.97,74.2 39.31,74.2 arc(38.88,74.38) 38.7,74.8 38.7,75.4 ; 39.97,74.2 39.97,75.4 ; 39.97,74.2 v1(39.97,73.56) ; R2.2 C4.1 50.91,64.13 arc(50.81,64.29) 50.77,64.47 v1(50.77,64.67)
  In1.Cu w0.25: v1(39.97,73.56) 40.29,73.25 arc(40.64,73.01) 41.06,72.93 41.25,72.93 arc(41.83,72.81) 42.33,72.48 49.91,64.9 arc(50.16,64.73) 50.45,64.67 v1(50.77,64.67)
Net-(C5-Pad1): length 20.2
  Top w0.25: U4.13 42.52,71.06 arc(42.34,71.48) 41.91,71.66 41.85,71.66 arc(41.42,71.48) 41.25,71.06 U4.12 v1(41.25,69.12) ; R3.2 C5.1 50.91,61.59 arc(50.81,61.75) 50.77,61.93 v1(50.77,62.13)
  In1.Cu w0.25: v1(50.77,62.13) 44.68,68.22 arc(43.69,68.89) 42.52,69.12 v1(41.25,69.12)
Net-(C6-Pad2): length 4.2
  Top w0.25: R4.2 C6.2 47.83,74.43 arc(47.98,74.4) 48.11,74.32 arc(48.24,74.23) 48.39,74.2 U5.11
Net-(C11-Pad1): length 2.9
  Top w0.25: U6.2 64.74,71.94 arc(64.69,71.68) 64.54,71.46 arc(64.39,71.24) 64.34,70.97 C11.1
Net-(C16-Pad1): length 4.3
  Top w0.25: R5.1 R6.1 C16.1
Net-(C16-Pad2): length 12.9
  Top w0.25: C16.2 77.63,76.74 arc(78.04,76.66) 78.39,76.42 78.49,76.33 arc(78.73,76.16) 79.03,76.1 arc(79.32,76.16) 79.57,76.33 79.66,76.42 arc(79.9,76.77) 79.98,77.19 79.98,78.67 arc(79.87,79.23) 79.55,79.71 79.25,80.01 arc(79.15,80.16) 79.11,80.35 79.11,80.52 arc(79.11,80.55) 79.09,80.57 arc(79.08,80.59) 79.07,80.61 R10.1 R9.2
Net-(C17-Pad1): length 4.3
  Top w0.25: C17.1 R8.1 R7.1
Net-(C17-Pad2): length 10.7
  Top w0.25: C17.2 77.63,74.2 arc(78.04,74.12) 78.39,73.88 78.51,73.77 arc(78.66,73.54) 78.71,73.28 78.71,71.82 arc(78.68,71.67) 78.59,71.54 arc(78.51,71.41) 78.48,71.26 C19.1 78.48,67.91 arc(78.47,67.89) 78.46,67.87 arc(78.44,67.85) 78.44,67.82 R11.2
Net-(C20-Pad2): length 2.6
  Top w0.25: C20.2 82.92,83.15 arc(82.92,83.13) 82.9,83.11 R13.1
Net-(C21-Pad2): length 2.6
  Top w0.25: C21.2 82.27,65.32 arc(82.25,65.34) 82.25,65.36 R14.1
Net-(C24-Pad1): length 12.8
  Top w0.25: C24.1 88.47,74.4 arc(88.2,75.76) 87.43,76.91 84.11,80.23 arc(83.76,80.47) 83.34,80.55 arc(83.02,80.42) 82.88,80.1 82.88,79.9 arc(82.84,79.66) 82.7,79.46 arc(82.57,79.26) 82.52,79.02 82.52,77.94
Net-(C24-Pad2): length 12.3
  Top w0.25: J5.T 91.01,62.8 arc(91.41,62.88) 91.74,63.1 arc(91.97,63.44) 92.04,63.83 92.04,66.32 arc(91.88,67.15) 91.41,67.85 arc(90.94,68.55) 90.78,69.38 90.78,71.5 arc(90.74,71.65) 90.66,71.78 arc(90.57,71.91) 90.54,72.06 C24.2
Net-(C25-Pad1): length 22.3
  Top w0.25: C25.1 91.21,59.59 arc(90.81,59.52) 90.47,59.29 90.46,59.28 arc(90.11,59.04) 89.69,58.96 86.96,58.96 arc(85.17,59.7) 84.43,61.5 84.43,69.31 arc(84.34,69.72) 84.11,70.07 arc(83.76,70.31) 83.34,70.39 82.38,70.39 arc(82.29,70.43) 82.25,70.52 arc(82.23,70.65) 82.15,70.76 81.72,71.19 arc(81.37,71.71) 81.25,72.33 U9.7
Net-(C25-Pad2): length 10.3
  Top w0.25: C25.2 93.72,60.47 arc(93.75,60.62) 93.83,60.75 arc(93.92,60.88) 93.95,61.03 93.95,67.66 arc(93.91,67.84) 93.81,67.98 arc(93.72,68.13) 93.68,68.31 J5.R1
Net-(J5-PadR1N): length 51.5
  Top w0.25: v1(52.04,47.53) R17.1 ; v1(86.97,60.86) 87.32,61.22 arc(87.59,61.62) 87.68,62.09 87.68,63.45 arc(87.59,63.92) 87.32,64.32 arc(87.06,64.71) 86.97,65.18 86.97,66.95 arc(87.12,67.74) 87.57,68.41 87.9,68.74 arc(88.11,69.05) 88.18,69.41 J5.R1N
  In1.Cu w0.25: v1(86.97,60.86) 66.97,60.86 arc(64.32,60.34) 62.08,58.84 52.49,49.25 arc(52.16,48.75) 52.04,48.16 v1(52.04,47.53)
Net-(R3-Pad1): length 30.5
  Top w0.25: v1(46.96,60.86) R3.1 ; 37.44,75.4 37.44,76.07 arc(37.63,76.54) 38.1,76.74 41.85,76.74 arc(42.32,76.54) 42.52,76.07 v1(42.52,73.56)
  In1.Cu w0.25: v1(42.52,73.56) 49.91,66.17 arc(50.16,66) 50.45,65.94 arc(50.75,65.89) 50.99,65.72 51.09,65.63 arc(51.32,65.28) 51.41,64.86 51.41,61.95 arc(51.32,61.53) 51.09,61.18 arc(50.74,60.95) 50.32,60.86 v1(46.96,60.86)
Net-(R5-Pad2): length 11.2
  Top w0.25: U6.1 63.47,75.21 arc(63.64,76.04) 64.1,76.74 arc(64.81,77.21) 65.64,77.37 66.57,77.37 arc(67.81,77.62) 68.87,78.33 69.5,78.96 arc(69.85,79.2) 70.27,79.28 R5.2
Net-(R7-Pad2): length 4.5
  Top w0.25: U6.4 67.28,72.72 arc(67.36,72.33) 67.58,72 67.6,71.98 arc(67.95,71.74) 68.36,71.66 R7.2
Net-(R13-Pad2): length 5.2
  Top w0.25: R13.2 R15.1 80.88,79.9 arc(80.93,79.66) 81.07,79.46 arc(81.2,79.26) 81.25,79.02 81.25,77.94
Net-(R14-Pad2): length 5.2
  Top w0.25: U9.6 79.98,71.85 arc(80.02,71.67) 80.12,71.52 arc(80.21,71.38) 80.25,71.2 R16.1 R14.2
Net-(U4-Pad10): length 5.6
  Top w0.25: 37.44,70.45 37.44,71.06 arc(37.61,71.48) 38.04,71.66 38.7,71.66 ; 38.7,71.66 39.37,71.66 arc(39.8,71.48) 39.97,71.06 U4.11 ; 38.7,71.66 U4.10
Net-(U5-Pad23): length 7.6
  Top w0.25: U6.7 64.74,80.76 arc(64.66,81.15) 64.44,81.48 64.42,81.5 arc(64.07,81.74) 63.66,81.82 61.83,81.82 arc(61,81.65) 60.29,81.18 60.05,80.94 arc(59.62,80.65) 59.1,80.55 U5.23
Net-(U5-Pad24): length 8.9
  Top w0.25: U6.6 66.01,80.76 arc(65.93,81.15) 65.71,81.48 65.38,81.82 arc(64.67,82.29) 63.84,82.45 60.74,82.45 arc(60.33,82.37) 59.98,82.14 arc(59.63,81.9) 59.21,81.82 U5.24
Net-(U5-Pad26): length 10.6
  Top w0.25: U6.5 67.28,80.76 arc(67.2,81.15) 66.98,81.48 66.33,82.14 arc(65.27,82.84) 64.03,83.09 61.83,83.09 arc(61,83.26) 60.29,83.72 60.05,83.97 arc(59.62,84.26) 59.1,84.36 U5.26
Net-(U5-Pad28): length 7.8
  Top w0.25: U5.28 59.21,86.9 arc(59.63,86.98) 59.98,87.22 arc(60.33,87.45) 60.74,87.53 64.41,87.53 arc(64.71,87.47) 64.97,87.3 arc(65.23,87.13) 65.53,87.07 X1.3

## Copper pours and planes (outline as drawn; the poured copper is in the pictures)
/GND on Top: 51.57,6.55 49.97,6.55 49.97,7.52 48.23,7.52 48.23,8.16 53.31,8.16 53.31,7.52 51.57,7.52
/GND on Top: 13.47,6.55 10.87,6.55 10.87,8.79 13.47,8.79
/GND on Top: 47.59,82.45 17.75,82.45 17.75,79.28 20.29,79.28 20.92,78.64 30.45,78.64 31.08,79.28 33.62,79.28 34.26,78.64 43.15,78.64 43.78,79.28 47.59,79.28 47.59,70.39 13.94,70.42 13.94,67.21 33.62,67.21 34.26,66.58 41.88,66.58 42.52,67.21 57.75,67.21 57.75,91.98 99.03,91.98 99.03,45.62 53.31,45.62 53.31,35.46 54.58,34.19 54.58,30.38 53.31,29.11 53.31,7.52 45.69,7.52 45.69,29.11 46.96,30.38 46.96,32.92 49.5,32.92 49.5,34.19 48.23,35.46 48.23,38.62 13.94,38 13.94,35.46 15.21,34.19 16.48,34.19 16.48,30.38 15.21,29.11 15.21,10.7 13.47,10.7 13.47,8.16 10.87,8.16 10.87,10.7 -0.03,10.7 -0.03,91.98 47.59,91.98
/GND on Top, In1.Cu, In2.Cu: 99.03,52.61 57.75,52.61 57.75,91.98 99.03,91.98
/GND on Bottom: 54.58,38 53.31,38 53.31,7.52 45.69,7.52 44.42,8.79 44.42,29.75 45.69,31.02 45.69,38 48.86,38 48.86,48.16 46.96,48.16 46.96,49.43 54.58,49.43
/GND on In1.Cu, In2.Cu: 99.03,10.7 53.31,10.7 53.31,7.52 45.69,7.52 45.69,10.7 -0.03,10.7 -0.03,91.98 99.03,91.98
/VCC on Top: 88.13,6.55 85.53,6.55 85.53,8.79 88.13,8.79
/VCC on Top: 99.03,45.62 99.03,10.7 88.13,10.7 88.13,8.16 85.53,8.16 85.53,10.7 83.79,10.7 83.79,29.11 85.06,30.38 85.06,34.19 83.79,35.46 83.79,38 53.31,37.37 53.31,45.62
